# Altium PCB THE_FIRST.PcbDoc (part 2 of 2) (continued)
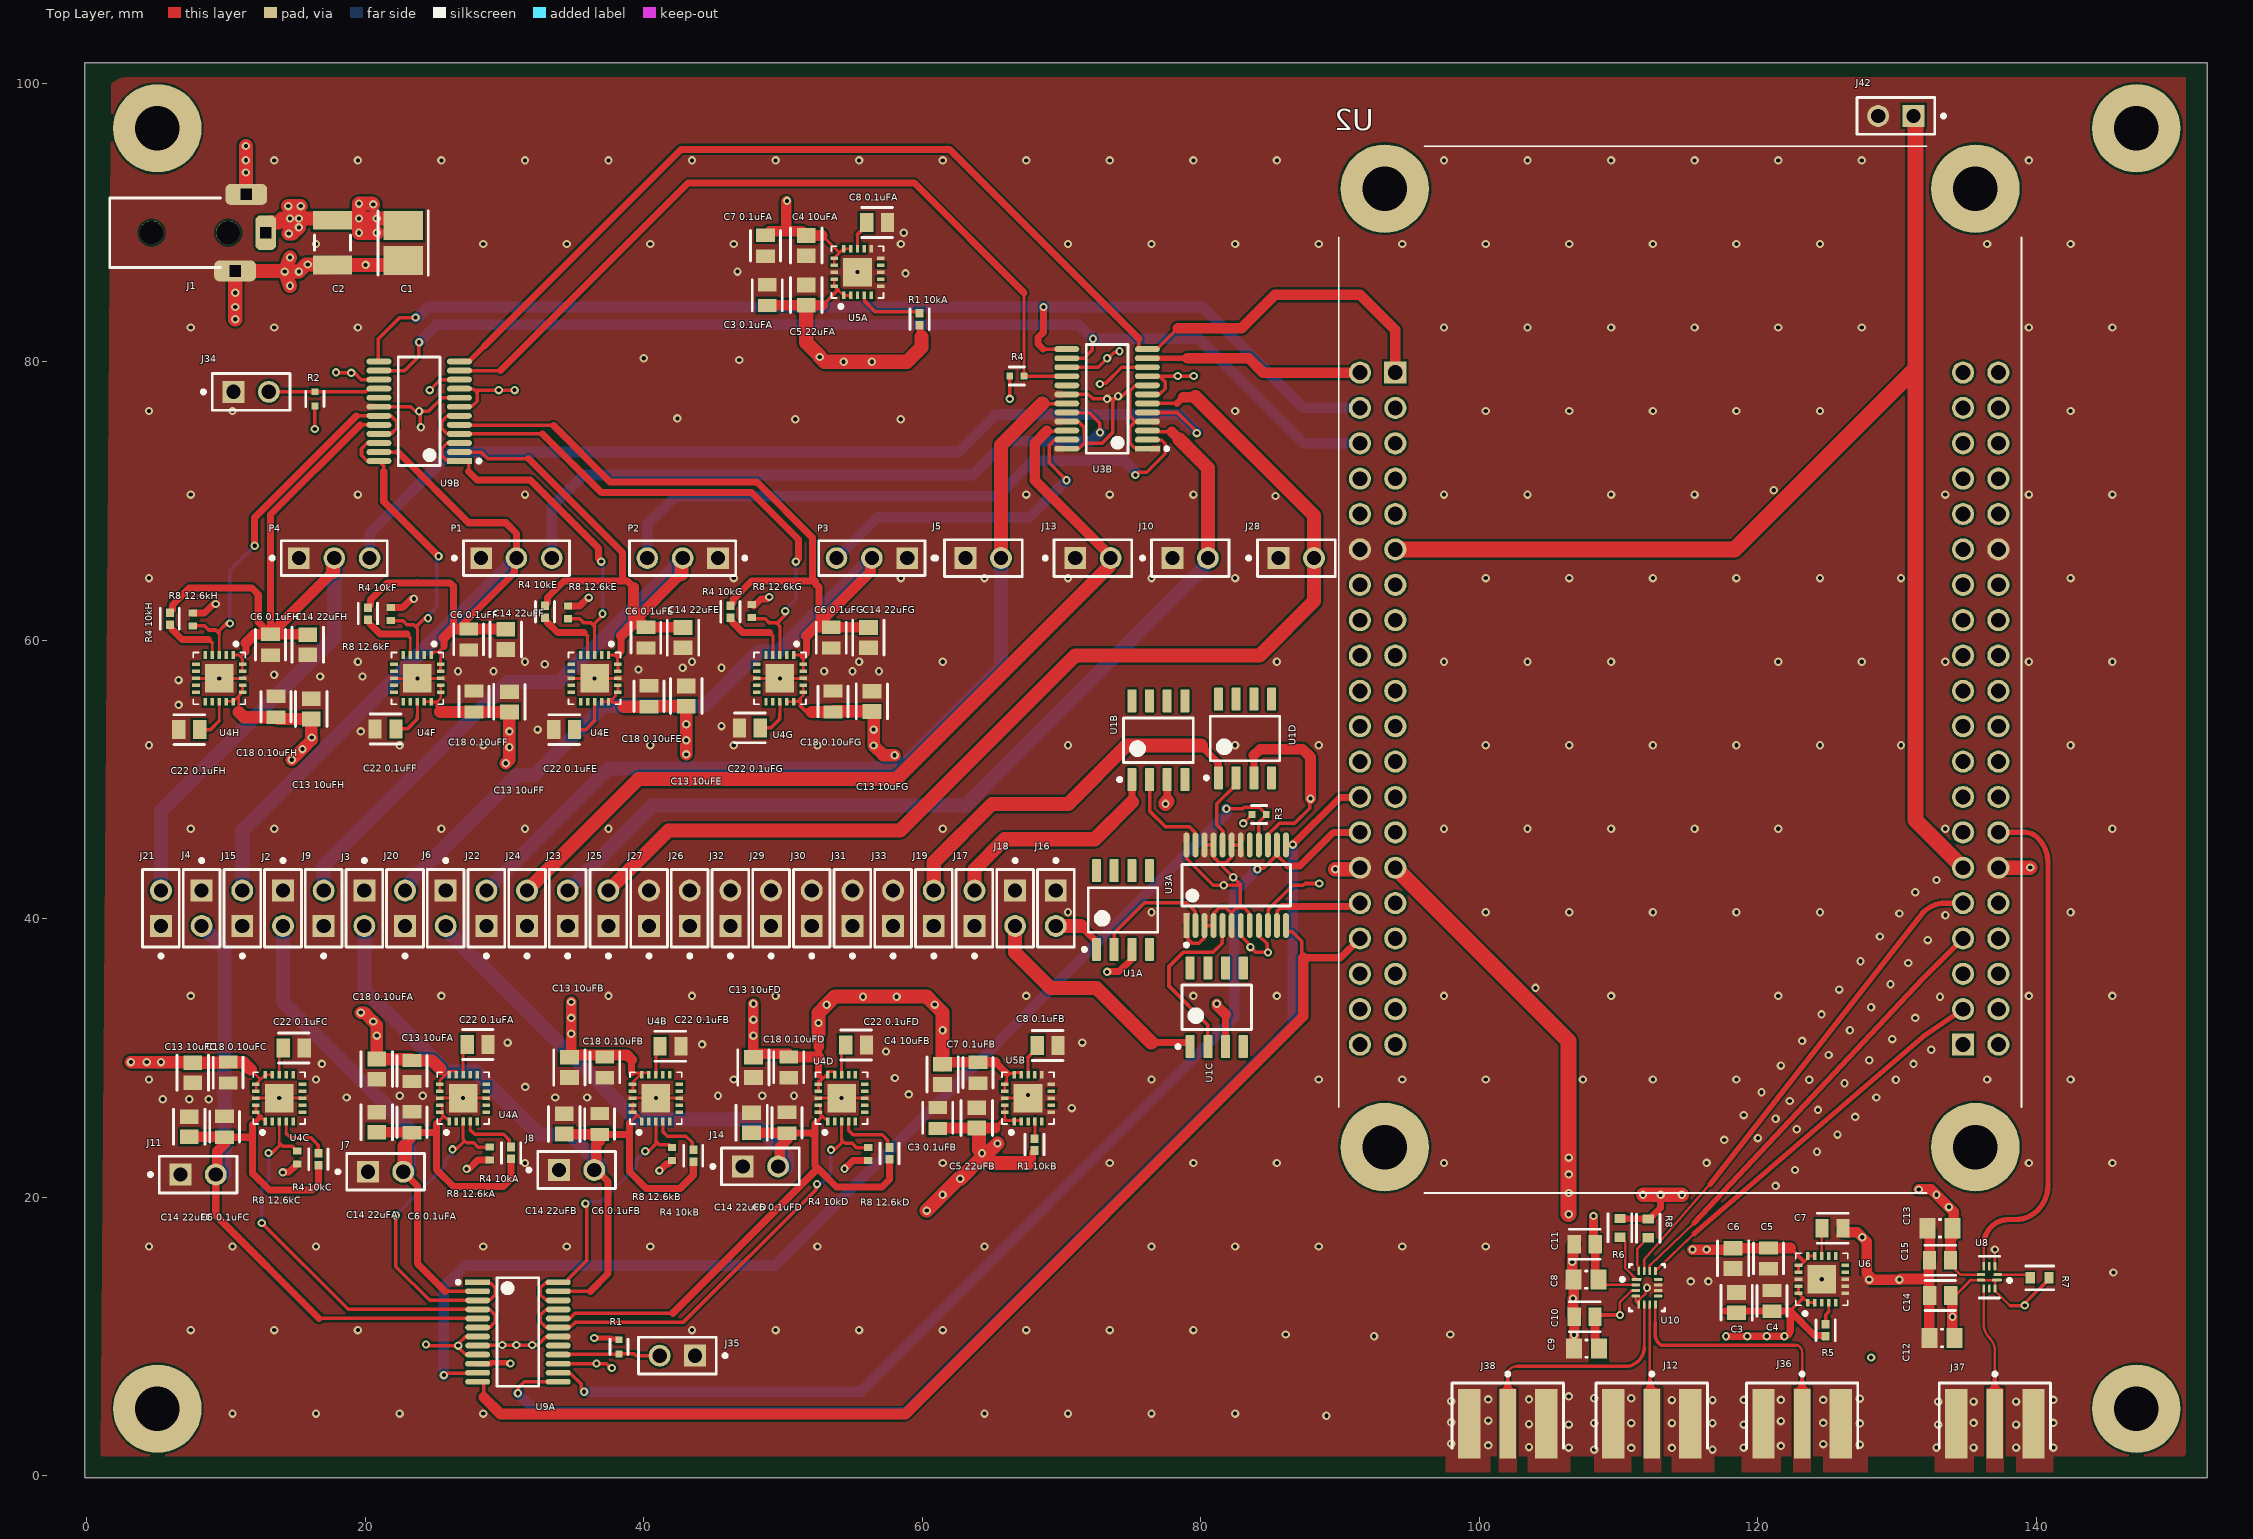
[diagram p0: Top Layer view]
## Nets (pads, with @x,y where several pads share a name; then routed paths per layer and width w, separated by ;. In a path a pad name is that pad's centre, name@x,y a point inside that pad or via, vN(x,y) a via of type N, cw(c..) or ccw(c..) an arc to the next point about the centre after c; other vN are vias at no path point) (continued)
  Top Layer w0.889: v1(3.175,29.718) v1(4.318,29.718) v1(5.334,29.718) 7.584,29.718 7.62,29.682 10.124,29.682 10.16,29.718 11.238,29.718 11.773,29.182 ; 10.922,54.864 11.303,54.483 13.589,54.483 13.716,54.356 16.129,54.356 16.129,53.065 v1(16.166,53.028) 16.166,52.869 v1(15.494,52.197) v1(14.732,51.435) ; v1(19.685,33.274) 19.939,33.274 v1(20.574,32.639) 20.828,32.385 v1(20.828,31.623) 20.828,29.936 23.265,29.936 23.368,29.833 24.797,29.833 25.38,29.25 ; 25.4,54.864 27.813,54.864 30.353,54.864 v1(30.353,53.467) v1(30.353,52.324) 30.353,51.435 v1(30.099,51.181) ; 38.563,55.245 40.386,55.245 40.422,55.281 43.053,55.281 v1(43.053,53.975) v1(43.053,52.832) v1(43.053,51.816) ; 52.07,54.864 53.594,54.864 53.63,54.9 56.388,54.9 56.432,54.9 56.515,54.817 v1(56.515,53.594) v1(56.515,52.451) 57.208,51.758 v1(58.023,51.758)
  Top Layer w1.016: J1.1@12.86,89.281 12.86,89.781 13.102,90.023 13.766,90.023 14.04,90.297 v1(14.605,90.297) ; v1(15.24,89.662) 14.79,89.212 v1(14.515,89.212) 14.605,89.302 v1(14.605,90.297) ; C2.2@17.526,90.297 v1(15.24,90.297) ; C2.2@17.78,90.297 v1(19.558,90.297) ; v1(20.574,91.313) 20.517,91.37 v1(19.553,91.37) v1(19.558,90.297) ; v1(20.828,89.281) v1(19.558,89.281) v1(19.558,90.297) ; C1.1@22.733,89.789 22.225,90.297 v1(20.828,90.297) v1(19.558,90.297) ; 52.558,31.795 v1(52.558,32.525) 52.558,33.254 v1(53.14,33.836) 53.721,34.417 v1(55.753,34.417) v1(58.166,34.417) 60.325,34.417 v1(60.896,33.846) 61.468,33.274 v1(61.468,32.004) 61.468,29.555 ; v1(77.47,48.26) 77.47,48.329 v1@77.597,48.456 ; v1(14.605,90.297) 14.605,91.059 v1(14.478,91.186) v1(15.367,91.186) 15.24,91.059 v1(15.24,90.297) ; v1(14.605,90.297) v1(15.24,90.297)
  other v1: 83.566,37.973 78.359,78.994
VDD1.1: C3.1 C4.1 C9.1 C10.1 C12.1 C14.1 R5.2 R6.1 R7.1 R8.2 U6.1 U6.2 U6.19 U6.20 U8.1 U8.7 U8.10 U10.3 | length 94
  Top Layer w0.178: v1(110.109,11.557) 110.109,12.482 110.882,13.255 110.891,13.255 110.952,13.316 U10.3@111.252,13.316 ; 135.301,14.062 U8.7@136.033,14.062 137.087,14.062 137.06,14.035 137.06,13.289 138.127,12.222
  Top Layer w0.203: U6.20@122.928,13.121 U6.19@122.928,13.621 ; U6.20@122.93,13.119 123.266,12.782 U6.1@123.603,12.446 U6.2@124.103,12.446 ; C14.1@134.127,12.888 135.301,14.062
  Top Layer w0.254: C10.1@108.319,11.43 108.446,11.557 v1(110.109,11.557) ; 122.337,11.847 122.337,11.853 123.266,12.782 ; C14.1@134.127,12.738 C14.1@134.127,12.888 ; 138.127,12.222 139.148,12.222 v1(139.173,12.247) 139.239,12.313 139.239,12.46 140.926,14.147 R7.1@140.926,14.224
  Top Layer w0.508: R6.1@110.109,18.498 110.515,18.49 111.735,18.465 R8.2@112.141,18.457 112.216,18.532 112.293,18.532 113.012,19.251 113.012,20.175 v1(113.03,20.193) ; 117.642,11.847 118.491,11.847 122.337,11.847 ; v1(117.729,10.033) v1(119.253,10.033) v1(120.65,10.033) v1(121.92,10.033) ccw(c121.92,10.45) 122.337,10.45 122.337,11.847 ; R5.2@124.881,10.041 124.881,10.062 124.849,10.095 124.09,10.095 122.337,11.847
  Top Layer w0.635: C10.1@108.319,11.43 108.319,9.839 ccw(c109.302,9.839) C9.1@108.607,9.144
  Top Layer w0.762: v1@133.982,11.427 v1(133.985,11.43) ; C14.1@133.985,12.954 v1(133.985,11.43) ; C12.1@134.127,9.906 133.985,10.048 v1(133.985,11.43)
  Top Layer w1.016: v1(111.76,20.193) v1(113.03,20.193) v1(114.554,20.193)
  Layer 2 w1.016: v1(110.109,11.557) 110.889,10.777 ccw(c112.685,12.573) 112.685,10.033 v1(117.729,10.033) v1(119.253,10.033) v1(120.65,10.033) v1(121.92,10.033) ; v1(111.76,20.193) v1(113.03,20.193) v1(114.554,20.193) 118.405,20.193 121.92,16.678 v1(121.92,10.033) ; v1(139.173,12.247) 136.179,9.253 cw(c134.383,11.049) 134.383,8.509 v1(128.143,8.509) 123.444,8.509 cw(c123.444,10.033) v1(121.92,10.033)
VDD3.3_fpga: C8.1 C11.1 C13.1 C15.1 U2.JP1_29 U8.6 U10.2 | length 47.1
  Top Layer w0.178: C8.1@108.585,14.097 108.966,13.716 U10.2@111.252,13.716 ; C15.1@133.846,15.494 133.846,15.144 134.528,14.462 U8.6@136.033,14.462
  Top Layer w0.635: v1(108.204,18.669) 108.204,16.764 C11.1@108.331,16.637 108.331,14.351 C8.1@108.585,14.097
  Top Layer w0.762: v1(131.572,20.574) 132.461,20.574 134.081,18.954 C13.1@134.081,17.31 ; C15.1@133.846,15.494 133.846,17.051 C13.1@134.093,17.298
  Top Layer w1.143: U2.JP1_29@93.977,43.676 106.426,31.227 v1(106.426,22.86) v1(106.426,21.653) v1(106.426,20.316) v1(106.426,18.796)
  other v1: 133.731,19.304 132.842,20.193
VDD3.31: "C3 0.1uFA.1" "C5 22uFA.1" "R1 10kA.2" R2.1 R4.1 U3B.10 U5A.1 U5A.2 U5A.19 U5A.20 U9B.10 | length 30.8
  Top Layer w0.203: U5A.19@53.68,85.951 U5A.20@53.68,85.451 53.958,85.173 54.207,84.924 U5A.1@54.353,84.924 ; U5A.1@54.355,84.922 U5A.1@54.355,84.776 U5A.2@54.855,84.776
  Top Layer w0.254: v1(16.383,75.184) R2.1@16.383,76.831 ; v1(24.638,77.978) 25.389,78.729 U9B.10@26.767,78.729 ; 48.878,84.05 48.902,84.074 ; 52.859,84.074 53.958,85.173 ; R4.1@66.285,78.994 66.29,78.99 66.29,77.347 v1(66.294,77.343) ; v1(72.763,78.418) 72.829,78.485 73.205,78.485 74.338,79.618 U3B.10@76.17,79.618
  Top Layer w0.508: 59.817,82.629 59.849,82.597 59.849,81.883 59.944,81.788
  Top Layer w0.762: 48.902,84.074 52.859,84.074
  Top Layer w1.016: 51.672,84.055 51.672,81.394 52.644,80.422 v1(52.644,80.353) 52.988,80.01 v1(56.388,80.01) 58.902,80.01 59.944,81.052 59.944,81.788
  other v1: 54.356,80.01
VDD3.32: "C3 0.1uFB.1" "C5 22uFB.1" "R1 10kB.2" R1.1 R3.1 U3A.10 U5B.1 U5B.2 U5B.19 U5B.20 U9A.10 | length 31.8
  Top Layer w0.203: 65.769,25.527 U5B.2@67.104,25.527 ; 65.925,25.684 U5B.20@65.925,26.132 U5B.19@65.925,26.632 ; v1(83.058,46.863) 83.681,47.486 R3.1@83.684,47.486
  Top Layer w0.254: 61.123,24.959 61.148,24.984 ; 65.225,24.984 65.769,25.527 65.925,25.684 ; 67.641,22.479 67.913,22.751 ; 67.913,23.209 68.072,23.368 ; U3A.10@84.825,39.527 84.857,39.559 84.857,40.673 86.601,42.418 87.376,42.418 87.503,42.545 v1(88.519,42.545)
  Top Layer w0.381: U9A.10@28.077,8.058 28.085,8.066 29.001,8.066 29.053,8.118 30.381,8.118 v1(30.426,8.074) ; v1(36.449,9.906) 37.655,9.906 37.731,9.83 38.18,9.83 R1.1@38.227,9.783 ; R3.1@83.684,47.486 R3.1@83.684,47.498
  Top Layer w0.508: 67.913,22.751 67.913,23.209
  Top Layer w0.762: 61.148,24.984 63.917,24.984 ; 64.068,24.984 65.225,24.984
  Top Layer w1.016: v1(60.325,19.05) v1(61.468,20.193) 62.611,21.336 v1(62.738,21.336) 64.298,22.896 v1(64.298,23.169) ; 64.068,24.984 64.087,24.964 64.087,23.449 64.298,23.238 v1(64.298,23.169) ; v1@64.3,23.102 64.397,23.102 65.02,22.479 67.641,22.479 ; v1(65.405,23.876) 64.698,23.169 v1(64.298,23.169)
VDD_fpga: J42.1 U2.JP1_11 U2.JP2_11 | length 98.1
  Top Layer w1.143: U2.JP1_11@93.977,66.536 118.352,66.536 131.318,79.502 ; J42.1@131.318,97.663 131.318,79.502 ; U2.JP2_11@134.747,43.676 131.318,47.105 131.318,79.502
Vneg1: J16.2 U1A.1 | length 4.1
  Top Layer w0.254: J16.2@69.596,39.497 J16.2@69.723,39.624 ; U1A.1@72.369,38.463 U1A.1@72.517,38.315 ; U1A.1@72.517,38.015 U1A.1@72.517,38.365
  Top Layer w0.508: 71.385,39.497 U1A.1@72.517,38.365
  Top Layer w1.016: J16.2@69.596,39.497 71.385,39.497
Vneg2: J17.2 U1B.1 | length 16.4
  Top Layer w0.508: 75.057,48.387 U1B.1@75.057,50.007
  Top Layer w1.016: J17.2@63.754,42.037 63.754,43.561 65.913,45.72 72.39,45.72 75.057,48.387
Vneg3: J18.2 U1C.1 | length 17.5
  Top Layer w0.254: U1C.1@79.163,31.115 79.248,31.03 U1C.1@79.248,31.38
  Top Layer w0.508: 76.454,31.115 U1C.1@79.163,31.115
  Top Layer w1.016: J18.2@66.675,39.497 66.675,37.592 69.215,35.052 72.517,35.052 76.454,31.115
Vneg4: J19.2 U1D.1 | length 27.3
  Top Layer w0.508: 80.01,52.451 81.259,51.202 81.259,50.355 U1D.1@81.28,50.334
  Top Layer w1.016: J19.2@60.833,42.037 60.833,44.069 65.024,48.26 70.485,48.26 74.676,52.451 80.01,52.451
Vout1: "C6 0.1uFA.1" "C14 22uFA.1" "R4 10kA.2" J2.2 J7.2 U4A.1 U4A.19 U4A.20 U9A.2 | length 54
  Top Layer w0.203: U4A.20@25.356,26.132 25.506,26.132 25.53,26.109 25.53,25.959 25.654,25.835 25.858,25.631 26.008,25.631 U4A.1@26.008,25.497 ; U4A.19@25.356,26.632 25.506,26.632 25.53,26.609 25.53,26.213 U4A.20@25.558,26.184
  Top Layer w0.254: 25.126,25.307 25.654,25.835 ; 25.731,13.258 U9A.2@28.077,13.258
  Top Layer w0.508: J7.2@22.733,21.844 23.749,20.828 23.749,15.24 25.731,13.258 ; 22.839,23.646 23.368,24.175 23.368,24.65 25.126,24.65 ; 25.126,25.307 25.126,24.65 ; 30.48,22.765 30.48,21.336 29.926,20.782 27.305,20.782 26.335,20.782 25.126,21.991 25.126,24.65
  Top Layer w0.762: 20.828,24.674 23.344,24.674
  Top Layer w1.016: J7.2@22.839,21.95 22.839,23.646
  Bottom Layer w1.016: J2.2@14.097,39.497 14.097,34.036 23.114,25.019 J7.2@23.114,21.844
Vout2: "C6 0.1uFB.1" "C14 22uFB.1" "R4 10kB.2" J3.2 J8.2 U4B.1 U4B.19 U4B.20 U9A.23 | length 58.4
  Top Layer w0.203: 38.969,25.354 39.537,25.922 ; 39.199,26.259 39.537,25.922 ; 39.223,26.261 U4B.19@39.223,26.751 ; U4B.1@39.874,25.584 39.537,25.922
  Top Layer w0.254: U9A.23@33.86,13.258 36.179,13.258
  Top Layer w0.508: 36.179,13.258 37.445,14.524 37.445,21.142 36.617,21.971 J8.2@36.449,21.971 ; 37.039,24.525 38.969,24.525 ; 38.969,25.354 38.969,24.525 ; 38.989,24.525 38.969,24.525 ; 43.561,22.518 43.561,21.59 42.626,20.655 40.178,20.655 38.969,21.864 38.969,24.525
  Top Layer w0.762: 34.299,24.549 36.815,24.549 ; J8.2@36.449,21.971 36.604,22.126 36.604,23.815 36.839,24.05 36.839,24.525
  Bottom Layer w1.016: J3.2@19.939,39.497 19.939,34.938 25.84,29.037 27.937,29.037 32.463,24.511 34.721,24.511 36.821,22.411 J8.2@36.821,21.992
Vout3: "C6 0.1uFC.1" "C14 22uFC.1" "R4 10kC.2" J4.2 J11.2 U4C.1 U4C.19 U4C.20 U9A.5 | length 62.7
  Top Layer w0.203: U4C.19@12.148,26.632 U4C.20@12.148,26.132 12.486,25.795 U4C.1@12.823,25.457
  Top Layer w0.254: 16.686,11.308 U9A.5@28.077,11.308
  Top Layer w0.381: 11.918,25.227 12.486,25.795
  Top Layer w0.508: J11.2@9.271,21.645 9.271,18.724 16.686,11.308 ; 10.106,24.324 11.811,24.324 ; 11.918,25.227 11.918,21.737 13.127,20.528 16.21,20.528 16.637,20.955 16.637,22.304
  Top Layer w0.762: 7.366,24.348 9.882,24.348 ; J11.2@9.377,21.751 9.377,23.32 9.906,23.849 9.906,24.324
  Bottom Layer w1.016: J4.2@8.255,39.497 8.255,39.485 9.4,38.339 ; 9.4,38.302 9.906,37.796 J11.2@9.906,21.717
Vout4: "C6 0.1uFD.1" "C14 22uFD.1" "R4 10kD.2" J6.2 J14.2 U4D.1 U4D.19 U4D.20 U9A.20 | length 75
  Top Layer w0.203: U4D.19@52.558,26.632 52.659,26.632 52.682,26.609 U4D.20@52.682,26.203 ; U4D.20@52.752,26.132 U4D.20@52.534,26.132 52.684,26.132 52.708,26.109 52.708,25.959 52.832,25.835 53.036,25.631 53.186,25.631 53.209,25.607 U4D.1@53.209,25.457
  Top Layer w0.254: U9A.20@33.86,11.308 33.892,11.34 34.726,11.34 35.069,11.684 42.091,11.684 ; 52.304,25.307 52.832,25.835
  Top Layer w0.508: 42.091,11.684 52.505,22.098 ; 50.492,24.614 52.069,24.614 52.304,24.379 ; 52.304,25.307 52.304,24.614 52.304,24.379 ; 57.658,22.729 57.658,21.3 57.104,20.746 53.856,20.746 52.505,22.098 ; 52.304,24.379 52.304,22.298 52.505,22.098
  Top Layer w0.762: 47.752,24.638 49.657,24.638 ; J14.2@49.763,22.331 49.763,23.61 50.292,24.139 50.292,24.614
  Bottom Layer w1.016: J6.2@25.781,39.497 25.79,39.488 25.79,39.234 39.416,25.608 47.671,25.608 50.283,22.996 J14.2@50.283,22.234
Vout5: "C6 0.1uFE.1" "C14 22uFE.1" "R4 10kE.2" J9.2 P2.2 U4E.1 U4E.19 U4E.20 U9B.2 | length 77.7
  Top Layer w0.203: U4E.1@37.473,58.952 38.13,58.952 38.13,58.303 U4E.20@38.148,58.285 ; U4E.19@38.148,57.777 U4E.20@38.148,58.277
  Top Layer w0.254: U9B.2@26.767,73.529 26.799,73.497 28.357,73.497 28.798,73.056 31.738,73.056
  Top Layer w0.508: 31.738,73.056 38.481,66.312 38.481,64.262 ; 32.917,62.484 32.949,62.516 32.949,62.538 33.102,62.69 33.102,63.074 34.29,64.262 38.481,64.262 ; 38.13,58.952 38.378,59.2 38.378,60.325 ; 39.267,63.816 38.821,64.262 38.481,64.262
  Top Layer w0.762: 38.378,60.325 39.267,61.214 ; 39.267,63.816 39.267,61.341 ; 42.648,60.948 40.156,60.948 39.89,61.214 39.267,61.214 ; 42.708,64.782 39.267,61.341 ; 39.267,61.214 39.267,61.341
  Top Layer w1.016: 42.708,64.782 42.708,65.821 P2.2@42.799,65.911
  Bottom Layer w1.016: J9.2@17.018,42.037 17.018,43.815 30.226,57.023 33.882,57.023 35.937,59.078 36.04,59.078 42.799,65.837 P2.2@42.799,65.911
Vout6: "C6 0.1uFF.1" "C14 22uFF.1" "R4 10kF.2" J15.2 P1.2 U4F.1 U4F.19 U4F.20 U9B.23 | length 71.7
  Top Layer w0.203: U4F.1@24.749,58.952 24.979,59.182 25.273,59.182 ; U4F.19@25.4,57.777 25.4,58.656 ; 25.402,58.658 25.424,58.658 25.424,59.031 25.273,59.182 ; 25.654,59.563 25.273,59.182
  Top Layer w0.254: U9B.23@20.953,73.497 U9B.23@20.985,73.529 ; U9B.23@21.017,73.497 U9B.23@20.985,73.529 ; 22.356,73.529 U9B.23@20.985,73.529 ; 23.59,64.135 23.749,64.294
  Top Layer w0.508: 20.193,62.357 20.225,62.389 20.225,62.411 20.378,62.563 20.378,62.923 21.59,64.135 23.59,64.135 26.097,64.135 26.337,63.895 26.337,60.881 ; 22.356,73.529 27.432,68.453 30.099,68.453 30.861,67.691 P1.2@30.861,65.913 ; 25.654,59.563 25.654,60.198 ; 26.658,60.821 30.727,64.89 30.727,65.779 P1.2@30.759,65.811
  Top Layer w0.762: 25.654,60.198 26.277,60.821 26.658,60.821 27.432,60.821 30.274,60.821
  Top Layer w1.016: P1.2@30.759,65.811 P1.2@30.861,65.913
  Bottom Layer w1.016: J15.2@11.176,42.037 11.176,46.314 26.759,61.897 26.845,61.897 P1.2@30.861,65.913
Vout7: "C6 0.1uFG.1" "C14 22uFG.1" "R4 10kG.2" J20.2 P3.2 U4G.1 U4G.19 U4G.20 U9B.5 | length 100
  Top Layer w0.203: U4G.1@50.784,58.952 51.34,58.952 51.459,58.833 U4G.20@51.459,58.277 U4G.19@51.459,57.777
  Top Layer w0.254: U9B.5@26.767,75.479 26.799,75.447 33.519,75.447
  Top Layer w0.508: 33.519,75.447 37.592,71.374 48.133,71.374 52.132,67.375 52.132,64.262 47.752,64.262 46.413,62.923 46.413,62.69 46.26,62.538 46.26,62.516 46.228,62.484 ; 51.459,58.833 51.689,59.063 51.689,60.325 ; 52.324,64.262 52.324,64.07 52.578,63.816 52.578,61.341 ; 52.445,61.081 52.578,60.948
  Top Layer w0.762: 51.689,60.325 52.445,61.081 56.286,64.922 P3.2@56.286,65.811 ; 52.578,60.948 53.467,60.948 56.309,60.948
  Top Layer w1.016: P3.2@56.286,65.811 P3.2@56.388,65.913
  Bottom Layer w1.016: J20.2@22.86,42.037 22.86,42.187 23.137,42.464 23.137,42.568 30.901,50.332 32.171,50.332 37.124,55.285 44.363,55.285 48.26,59.182 49.657,59.182 P3.2@56.388,65.913
Vout8: "C6 0.1uFH.1" "C14 22uFH.1" "R4 10kH.2" J21.2 P4.2 U4H.1 U4H.19 U4H.20 U9B.20 | length 73.4
  Top Layer w0.203: U4H.1@10.525,58.952 10.898,58.952 11.049,58.801 ; U4H.19@11.176,57.785 U4H.20@11.176,58.275 ; U4H.20@11.2,58.277 11.2,58.65 11.049,58.801 ; 11.43,59.182 11.049,58.801
  Top Layer w0.254: 19.644,75.479 U9B.20@20.985,75.479
  Top Layer w0.508: 5.969,61.976 6.001,62.008 6.001,62.03 6.154,62.182 6.154,62.542 7.366,63.754 11.873,63.754 12.319,63.308 12.319,61.329 12.787,60.861 12.787,60.661 13.008,60.44 13.208,60.44 13.208,69.043 19.644,75.479 ; 11.43,59.182 11.43,59.817
  Top Layer w0.762: 11.43,59.817 12.053,60.44 13.008,60.44 ; 13.375,60.607 17.678,64.91 ; 13.408,60.44 16.05,60.44
  Top Layer w1.016: 17.678,64.91 17.678,65.811 P4.2@17.78,65.913
  Bottom Layer w1.016: J21.2@5.334,42.037 5.334,47.755 17.78,60.201 P4.2@17.78,65.913
Voutr1: J5.2 J22.2 U3B.19 | length 65.5
  Top Layer w0.254: 68.625,77.007 70.377,77.007 U3B.19@70.388,77.018
  Top Layer w1.016: J5.2@65.659,66.04 65.659,74.041 68.625,77.007
  Bottom Layer w1.016: J22.2@28.702,42.037 37.465,50.8 58.42,50.8 65.659,58.039 J5.2@65.659,66.04
Voutr2: J10.2 J23.2 U3B.3 | length 67.9
  Top Layer w0.254: U3B.3@76.159,75.057 76.91,75.057 76.983,74.984 77.924,74.984
  Top Layer w0.762: 77.924,74.984 78.486,74.422
  Top Layer w1.016: 78.486,74.422 80.518,72.39 J10.2@80.518,66.04
  Bottom Layer w1.016: J23.2@34.544,42.037 40.64,48.133 63.119,48.133 80.241,65.255 80.241,65.486 80.518,65.763 J10.2@80.518,65.913
Voutr3: J13.2 J24.2 U3B.22 | length 65.2
  Top Layer w0.254: 68.94,75.036 70.356,75.036 U3B.22@70.388,75.068
  Top Layer w0.762: 68.94,75.036 68.072,74.168 68.072,71.501 J13.2@73.533,66.04
  Top Layer w1.016: J24.2@31.623,42.037 39.624,50.038 58.166,50.038 73.427,65.299 73.427,65.807 J13.2@73.533,65.913
Voutr4: J25.2 J28.2 U3B.6 | length 81
  Top Layer w0.254: U3B.6@76.17,77.018 78.288,77.018
  Top Layer w0.508: 78.288,77.018 78.74,77.47
  Top Layer w0.762: 78.74,77.47 79.629,77.47
  Top Layer w1.016: J25.2@37.465,42.037 41.783,46.355 58.42,46.355 70.993,58.928 84.243,58.928 88.138,62.823 J28.2@88.138,66.04 ; 79.629,77.47 88.138,68.961 J28.2@88.138,66.112
pads on no net: J1.MH1 J1.MH2 U1A.4 U1A.5 U1A.6 U1A.7 U1A.8 U1B.4 U1B.5 U1B.6 U1B.7 U1B.8 U1C.4 U1C.5 U1C.6 U1C.7 U1C.8 U1D.4 U1D.5 U1D.6 U1D.7 U1D.8 U2.JP1_3 U2.JP1_5 U2.JP1_7 U2.JP1_8 U2.JP1_9 U2.JP1_10 U2.JP1_13 U2.JP1_14 U2.JP1_15 U2.JP1_16 U2.JP1_17 U2.JP1_18 U2.JP1_19 U2.JP1_20 U2.JP1_21 U2.JP1_22 U2.JP1_23 U2.JP1_24 U2.JP1_25 U2.JP1_27 U2.JP1_31 U2.JP1_33 U2.JP1_35 U2.JP1_36 U2.JP1_37 U2.JP1_38 U2.JP1_39 U2.JP1_40 U2.JP2_1 U2.JP2_2 U2.JP2_4 U2.JP2_5 U2.JP2_6 U2.JP2_8 U2.JP2_10 U2.JP2_13 U2.JP2_15 U2.JP2_16 U2.JP2_17 U2.JP2_18 U2.JP2_19 U2.JP2_20 U2.JP2_21 U2.JP2_22 U2.JP2_23 U2.JP2_24 U2.JP2_25 U2.JP2_26 U2.JP2_27 U2.JP2_28 U2.JP2_29 U2.JP2_31 U2.JP2_32 U2.JP2_33 U2.JP2_34 U2.JP2_35 U2.JP2_36 U2.JP2_37 U2.JP2_38 U2.JP2_39 U2.JP2_40 U2.S1 U2.S2 U2.S3 U2.S4 U3A.17 U3B.17 U4A.2 U4A.5 U4A.6 U4A.7 U4A.9 U4A.10 U4A.11 U4A.12 U4B.2 U4B.5 U4B.6 U4B.7 U4B.9 U4B.10 U4B.11 U4B.12 U4C.2 U4C.5 U4C.6 U4C.7 U4C.9 U4C.10 U4C.11 U4C.12 U4D.2 U4D.5 U4D.6 U4D.7 U4D.9 U4D.10 U4D.11 U4D.12 U4E.2 U4E.5 U4E.6 U4E.7 U4E.9 U4E.10 U4E.11 U4E.12 U4F.2 U4F.5 U4F.6 U4F.7 U4F.9 U4F.10 U4F.11 U4F.12 U4G.2 U4G.5 U4G.6 U4G.7 U4G.9 U4G.10 U4G.11 U4G.12 U4H.2 U4H.5 U4H.6 U4H.7 U4H.9 U4H.10 U4H.11 U4H.12 U5A.3 U5A.5 U5A.7 U5A.9 U5A.12 U5B.3 U5B.5 U5B.7 U5B.9 U5B.12 U6.3 U6.5 U6.9 U6.10 U6.11 U6.12 U8.4 U8.9 U9A.17 U9B.17 U10.9 U10.12

## Polygon pours and split planes (outlines as drawn)
GND on Layer 1 "GND_L02_P133" (solid, pour order 133): 1.27,100.203 1.524,100.457 150.749,100.457 150.749,1.524 150.368,1.143 0.762,1.143
GND on Top Layer "GND_L01_P209" (solid, pour order 209): 1.778,99.949 cw(c3.004,98.723) 3.004,100.457 150.749,100.457 150.749,1.793 cw(c150.099,1.793) 150.558,1.333 ccw(c150.405,1.18) 150.405,1.397 1.016,1.397
GND on Top Layer "GND_L01_P207" (solid, pour order 207): 122.908,14.141 123.119,14.351 123.444,14.351 124.079,14.986 125.095,14.986 125.73,14.351 128.016,14.351 128.323,14.044 127.233,12.954 124.333,12.954 123.444,13.843 123.041,13.843 122.893,13.991
GND on Top Layer "GND_L01_P166" (solid, pour order 166): 69.759,30.916 69.85,30.826 69.85,25.527 71.755,25.527 73.025,26.797 73.025,31.115 71.882,32.258 69.723,32.258
GND on Top Layer "GND_L01_P160" (solid, pour order 160): 11.2,57.277 11.2,57.428 13.081,59.309 19.939,59.309 21.718,57.53 22.225,57.53 21.699,56.837 21.15,56.837 19.685,55.372 13.597,55.372 13.589,55.364 13.581,55.372 13.208,55.372 11.684,56.896
GND on Top Layer "GND_L01_P183" (solid, pour order 183): 103.484,-0.09 103.484,6.26 106.553,6.26 106.553,-0.09
GND on Top Layer "GND_L01_P182" (solid, pour order 182): 97.605,-0.09 97.605,6.26 100.78,6.26 100.78,-0.09
SC1A on Top Layer "SC1A_L01_P194" (solid, pour order 194): 101.415,-0.09 101.415,6.26 102.685,6.26 102.685,-0.09
GND on Top Layer "GND_L01_P204" (solid, pour order 204): 7.85,57.277 7.378,56.805 7.378,52.832 5.969,52.832 5.969,58.039 7.239,58.039 7.493,57.785
GND on Top Layer "GND_L01_P161" (solid, pour order 161): 18.034,55.499 18.161,55.372 18.161,52.959 21.463,52.959 21.463,57.15
GND on Top Layer "GND_L01_P148" (solid, pour order 148): 45.085,87.884 53.68,87.884 53.68,85.09 45.085,85.09
GND on Top Layer "GND_L01_P135" (solid, pour order 135): 50.893,57.558 52.392,58.607 52.392,59.663 56.713,59.663 59.048,58.074 57.831,55.829 53.053,55.829
GND on Top Layer "GND_L01_P145" (solid, pour order 145): 37.827,57.278 40.053,59.817 46.077,59.817 47.498,58.396 47.498,57.613 47.772,57.613 48.308,57.277 47.831,57.023 46.99,57.023 46.14,56.173 40.613,56.173 40.537,56.098 40.501,56.134 39.461,56.134
GND on Top Layer "GND_L01_P144" (solid, pour order 144): 25.424,57.277 27.1,59.69 32.512,59.69 34.925,57.277 34.925,57.023 33.655,57.023 32.512,55.88 27.722,55.88 27.641,55.798 26.162,56.769 25.654,57.023
GND on Top Layer "GND_L01_P146" (solid, pour order 146): 32.004,57.794 32.004,52.959 34.269,52.959 34.269,57.637
DOUT1A on Top Layer "DOUT1A_L01_P201" (solid, pour order 201): 136.398,6.35 136.398,-0.127 137.668,-0.127 137.668,6.35
SC3A on Top Layer "SC3A_L01_P200" (solid, pour order 200): 122.555,6.35 122.555,-0.127 123.825,-0.127 123.825,6.35
SC2A on Top Layer "SC2A_L01_P199" (solid, pour order 199): 111.807,6.334 111.807,-0.143 113.077,-0.143 113.077,6.334
GND on Top Layer "GND_L01_P198" (solid, pour order 198): 53.68,86.676 53.68,86.233 56.769,86.233 56.769,85.725 58.293,85.725 58.293,85.217 55.88,85.217 55.88,86.233 57.193,86.233 57.193,86.614 56.515,86.614 56.515,87.376 57.277,87.376 57.277,87.757 56.515,87.757 56.515,88.392 56.007,88.392 56.007,87.376 54.356,87.376 54.356,86.741
GND on Top Layer "GND_L01_P195" (solid, pour order 195): 115.653,15.708 113.788,13.843 112.852,13.843 112.852,13.04 116.73,12.63
GND on Top Layer "GND_L01_P191" (solid, pour order 191): 138.557,-0.127 138.557,6.35 141.224,6.35 141.224,-0.127
GND on Top Layer "GND_L01_P190" (solid, pour order 190): 132.715,-0.127 132.715,6.35 135.509,6.35 135.509,-0.127
GND on Top Layer "GND_L01_P187" (solid, pour order 187): 124.714,0.008 124.714,6.35 127.889,6.35 127.889,0.008
GND on Top Layer "GND_L01_P186" (solid, pour order 186): 118.872,0.008 118.872,6.35 121.666,6.35 121.666,0.008
GND on Top Layer "GND_L01_P185" (solid, pour order 185): 113.839,-0.016 113.839,6.334 116.887,6.334 116.887,-0.016
GND on Top Layer "GND_L01_P184" (solid, pour order 184): 108.251,-0.016 108.251,6.334 110.918,6.334 110.918,-0.016
GND on Top Layer "GND_L01_P181" (solid, pour order 181): 68.453,29.183 68.453,28.575 67.345,27.467 67.345,26.889 68.199,26.035 70.358,26.035 70.358,27.278
GND on Top Layer "GND_L01_P159" (solid, pour order 159): 55.886,27.352 56.388,27.352 56.388,30.099 55.435,31.051 55.88,31.496 58.674,31.496 58.674,30.826 60.996,28.503 61.033,28.54 64.551,28.54 65.959,27.132 65.994,27.132 64.897,26.035 61.548,26.035 61.033,26.035 60.723,26.035 57.238,26.035 55.886,27.132
GND on Top Layer "GND_L01_P158" (solid, pour order 158): 15.498,27.132 15.798,27.432 16.129,27.432 16.129,29.845 15.621,30.353 15.621,32.131 18.542,32.131 19.304,31.369 19.304,28.956 23.694,28.956 24.892,27.758 24.892,27.432 25.019,27.432 25.336,27.114 25.146,26.924 24.13,25.908 16.891,25.908 15.667,27.132
GND on Top Layer "GND_L01_P137" (solid, pour order 137): 6.604,28.321 6.604,23.56 8.188,20.955 4.064,20.955 4.064,28.321
GND on Top Layer "GND_L01_P141" (solid, pour order 141): 42.722,27.432 43.942,27.432 45.466,28.956 50.836,28.956 51.961,27.831 52.63,27.059 51.037,25.861 43.726,25.861 42.438,27.148
GND on Top Layer "GND_L01_P155" (solid, pour order 155): 122.992,14.057 121.42,15.629 117.348,15.629 115.574,15.629 114.616,14.67 116.713,12.573 120.723,12.573
GND on Top Layer "GND_L01_P136" (solid, pour order 136): 4.975,27.064 6.74,28.829 10.795,28.829 12.117,27.152 9.642,25.527 7.715,25.527
GND on Top Layer "GND_L01_P138" (solid, pour order 138): 29.083,27.432 30.317,27.595 31.678,28.956 38.286,28.956 38.286,27.675 38.445,27.595 39.207,27.414 39.207,27.339 39.163,27.296 39.207,27.252 39.207,27.087 38.699,27.087 37.683,25.563 30.68,25.349 28.666,27.041
GND on Top Layer "GND_L01_P139" (solid, pour order 139): 31.077,25.362 31.623,21.463 34.417,21.463 34.417,21.844 34.29,21.971 34.925,22.606 34.925,23.241 33.274,23.368 33.274,26.289 33.147,26.416
GND on Top Layer "GND_L01_P140" (solid, pour order 140): 28.829,30.988 29.495,30.174 29.464,27.432 30.607,27.305 32.766,27.305 32.766,30.988 31.877,31.877 28.829,31.877
GND on Top Layer "GND_L01_P142" (solid, pour order 142): 43.581,26.151 46.278,21.717 48.26,21.717 48.387,21.844 48.387,23.241 48.006,23.622 46.736,23.622 46.736,25.908
GND on Top Layer "GND_L01_P143" (solid, pour order 143): 42.545,31.877 45.72,31.877 46.355,31.242 46.355,27.432 43.18,27.432 43.18,29.972 43.053,29.972 42.545,30.48
GND on Top Layer "GND_L01_P147" (solid, pour order 147): 44.958,57.785 44.958,53.34 45.085,53.213 47.371,53.213 47.58,53.422 47.58,57.613
GND on Top Layer "GND_L01_P149" (solid, pour order 149): 57.03,86.451 57.193,86.614 57.658,86.614 57.658,88.773 57.514,88.917 57.514,90.424 58.547,90.424 59.944,89.027 59.944,85.09 58.391,85.09
VDD on Layer 2 "VDD_L03_P206" (solid, pour order 206): 1.778,99.949 89.027,99.949 89.027,76.454 88.9,76.327 75.268,76.327 75.268,79.883 59.944,79.883 58.039,81.788 36.576,81.788 36.576,81.534 32.385,77.343 27.559,77.343 27.559,78.168 25.373,80.354 23.805,80.354 20.032,76.581 14.859,76.581 14.859,73.66 62.992,73.66 65.151,75.819 75.268,75.75 75.268,76.327 89.027,76.327 89.027,48.26 88.773,48.006 87.757,48.006 86.868,48.895 82.296,48.895 82.296,47.117 76.2,41.021 76.2,37.828 53.358,14.986 27.686,14.986 26.543,13.843 26.543,7.112 27.178,6.477 34.894,6.477 39.593,11.176 54.991,11.176 79.609,35.794 79.609,39.604 85.725,45.72 86.995,45.72 86.995,2.159 86.233,1.397 1.016,1.397
VDD on Layer 2 "VDD_L03_P197" (solid, pour order 197): 85.471,14.986 85.471,1.397 150.241,1.397 150.622,1.778 150.368,2.032 150.368,16.891 113.792,16.891 113.792,14.986
VDD3.32 on Layer 2 "VDD3.32_L03_P163" (solid, pour order 163): 77.055,37.253 78.028,36.28 78.952,36.28 78.952,40.323 84.857,46.228 82.55,46.228 77.055,40.733
VDD3.32 on Layer 2 "VDD3.32_L03_P153" (solid, pour order 153): 87.757,45.339 87.757,41.91 89.408,40.259 89.408,45.466 86.741,48.133 82.608,48.133 82.608,46.228 86.868,46.228
VDD3.32 on Layer 2 "VDD3.32_L03_P151" (solid, pour order 151): 30.76,7.265 34.168,7.265 38.354,11.451 38.354,13.335 37.719,13.97 28.321,13.97 27.686,13.335 27.686,7.747 28.168,7.265
VDD3.32 on Layer 2 "VDD3.32_L03_P152" (solid, pour order 152): 77.672,37.399 78.952,36.28 54.737,12.065 38.227,12.065 38.227,13.081 37.338,13.97 54.243,13.97
VDD3.31 on Layer 2 "VDD3.31_L03_P157" (solid, pour order 157): 15.494,75.946 15.494,74.607 62.454,74.607 56.769,80.936 37.121,80.936 32.766,76.581 26.67,76.581 26.67,77.978 24.765,79.883 20.828,75.946
VDD3.3_fpga on Layer 2 "VDD3.3_FPGA_L03_P156" (solid, pour order 156): 102.743,23.368 102.743,18.161 139.192,18.161 133.985,23.368
VDD3.31 on Layer 2 "VDD3.31_L03_P150" (solid, pour order 150): 58.234,78.867 73.858,78.867 72.906,76.835 70.739,76.835 64.96,76.772 62.454,74.646
GND on Bottom Layer "GND_L04_P210" (solid, pour order 210): 1.524,100.457 150.749,100.457 ccw(c150.928,100.278) 150.675,100.278 150.675,1.485 1.061,1.485 cw(c1.061,1.547) 1.017,1.503
GND on Bottom Layer "GND_L04_P168" (solid, pour order 168): 103.484,6.26 103.484,-0.008 106.241,-0.008 106.241,6.26
GND on Bottom Layer "GND_L04_P167" (solid, pour order 167): 97.605,6.26 97.605,-0.09 100.78,-0.09 100.78,6.26
GND on Bottom Layer "GND_L04_P176" (solid, pour order 176): 138.557,6.35 138.557,0 141.224,0 141.224,6.35
GND on Bottom Layer "GND_L04_P175" (solid, pour order 175): 132.715,6.35 132.715,0 135.509,0 135.509,6.35
GND on Bottom Layer "GND_L04_P172" (solid, pour order 172): 124.714,6.35 124.714,0.008 127.889,0.008 127.889,6.35
GND on Bottom Layer "GND_L04_P171" (solid, pour order 171): 118.872,6.35 118.872,0.008 121.666,0.008 121.666,6.35
GND on Bottom Layer "GND_L04_P170" (solid, pour order 170): 113.839,6.334 113.839,-0.016 116.379,-0.016 116.379,6.334
GND on Bottom Layer "GND_L04_P169" (solid, pour order 169): 108.251,6.334 108.251,-0.016 110.918,-0.016 110.918,6.334